# KiCad board dual-camera-to-gmsl-serializer-csi-adapter.kicad_pcb (continued)
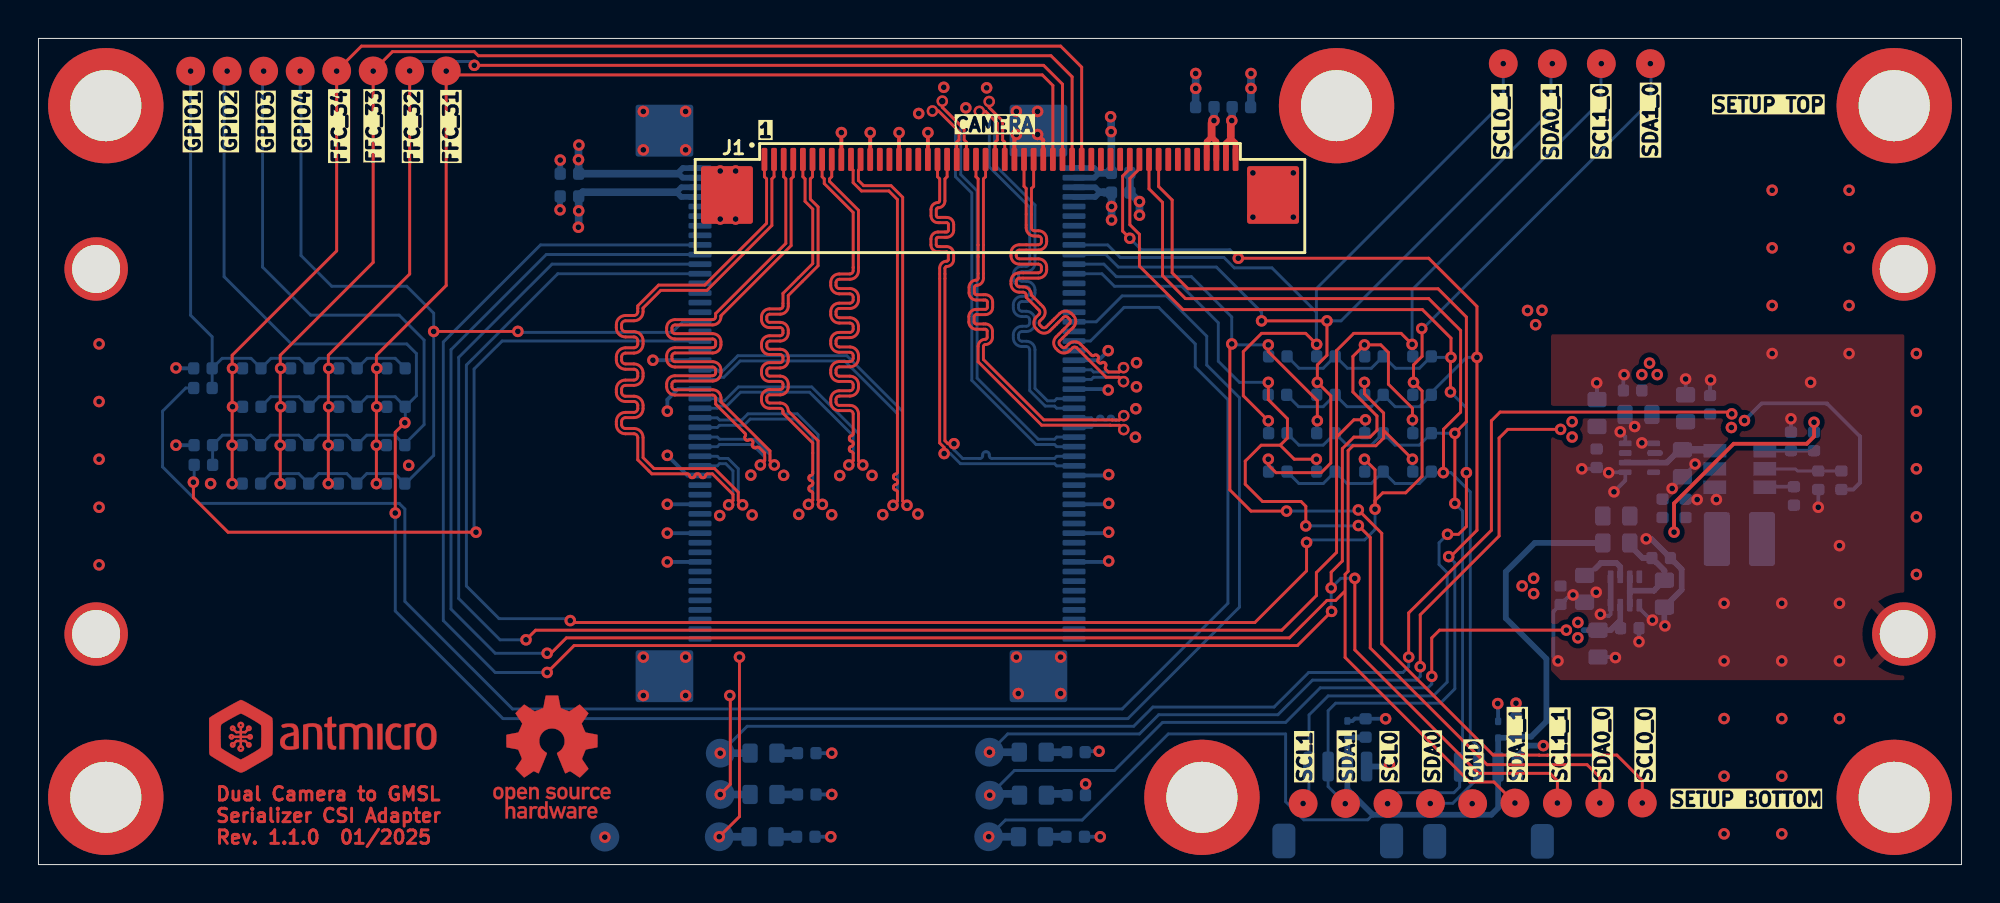
[diagram p0: board, top side]
## Routing (per net, layer and track width the routed paths; a pad name or vN(x,y) marks a point on that pad's centre or on a via; arc(x,y) is an arc through that point) (continued)
/CSI1.D1_N: length 37
  Top w0.15: J1.5 39.75,35.8 39.86,35.69 39.86,34.52 40.26,34.12 40.26,31.28 38.71,29.73 38.71,29.07 arc(38.67,28.97) 38.57,28.92 38.02,28.92 arc(37.72,28.8) 37.6,28.51 37.6,28.37 arc(37.72,28.07) 38.02,27.95 38.57,27.95 arc(38.67,27.91) 38.71,27.81 38.71,27.67 arc(38.67,27.57) 38.57,27.52 38.02,27.52 arc(37.72,27.4) 37.6,27.11 37.6,26.97 arc(37.72,26.67) 38.02,26.55 38.57,26.55 arc(38.67,26.51) 38.71,26.41 38.71,26.27 arc(38.67,26.17) 38.57,26.12 38.02,26.12 arc(37.72,26) 37.6,25.71 37.6,25.57 arc(37.72,25.27) 38.02,25.15 38.57,25.15 arc(38.67,25.11) 38.71,25.01 38.71,24.87 arc(38.67,24.77) 38.57,24.72 38.02,24.72 arc(37.72,24.6) 37.6,24.31 37.6,24.17 arc(37.72,23.87) 38.02,23.75 38.57,23.75 arc(38.67,23.71) 38.71,23.61 38.71,23.49 40.26,21.94 40.26,20.36 arc(40.24,20.29) 40.16,20.26 arc(40.09,20.23) 40.07,20.16 40.07,20.08 arc(40.09,20.01) 40.16,19.98 arc(40.24,19.96) 40.26,19.89 40.26,19.81 arc(40.24,19.74) 40.16,19.71 arc(40.09,19.68) 40.07,19.61 40.07,19.53 arc(40.09,19.46) 40.16,19.43 arc(40.24,19.41) 40.26,19.34 40.26,18.97 v1(40.04,18.75)
  Bottom w0.15: J2.23 35.3,22.75 35.41,22.86 36.69,22.86 37.01,23.19 39.35,23.19 40.26,22.27 40.26,18.97 v1(40.04,18.75)
/CSI1.D1_P: length 37
  Top w0.15: J1.6 40.25,35.8 40.14,35.69 40.14,34.63 40.54,34.23 40.54,31.17 38.99,29.62 38.99,29.07 arc(38.87,28.77) 38.57,28.65 38.02,28.65 arc(37.92,28.61) 37.87,28.51 37.87,28.37 arc(37.92,28.27) 38.02,28.22 38.57,28.22 arc(38.87,28.1) 38.99,27.81 38.99,27.67 arc(38.87,27.37) 38.57,27.25 38.02,27.25 arc(37.92,27.21) 37.87,27.11 37.87,26.97 arc(37.92,26.87) 38.02,26.82 38.57,26.82 arc(38.87,26.7) 38.99,26.41 38.99,26.27 arc(38.87,25.97) 38.57,25.85 38.02,25.85 arc(37.92,25.81) 37.87,25.71 37.87,25.57 arc(37.92,25.47) 38.02,25.42 38.57,25.42 arc(38.87,25.3) 38.99,25.01 38.99,24.87 arc(38.87,24.57) 38.57,24.45 38.02,24.45 arc(37.92,24.41) 37.87,24.31 37.87,24.17 arc(37.92,24.07) 38.02,24.02 38.57,24.02 arc(38.87,23.9) 38.99,23.61 40.54,22.06 40.54,18.97 v1(40.76,18.75)
  Bottom w0.15: J2.24 35.3,23.25 35.41,23.14 36.57,23.14 36.9,23.46 39.46,23.46 40.54,22.38 40.54,18.97 v1(40.76,18.75)
/CSI1.D2_N: length 37
  Top w0.15: J1.3 38.75,35.8 38.86,35.69 38.86,32.33 35.21,28.68 35.21,28.52 arc(35.17,28.41) 35.06,28.36 33.1,28.36 arc(32.79,28.24) 32.67,27.93 32.67,27.79 arc(32.79,27.48) 33.1,27.36 35.06,27.36 arc(35.17,27.31) 35.21,27.2 35.21,27.06 arc(35.17,26.95) 35.06,26.9 33.1,26.9 arc(32.79,26.78) 32.67,26.47 32.67,26.33 arc(32.79,26.02) 33.1,25.9 35.06,25.9 arc(35.17,25.85) 35.21,25.74 35.21,25.6 arc(35.17,25.49) 35.06,25.44 33.1,25.44 arc(32.79,25.32) 32.67,25.01 32.67,24.87 arc(32.79,24.56) 33.1,24.44 35.06,24.44 arc(35.17,24.39) 35.21,24.28 35.21,23.97 36.75,22.43 arc(36.78,22.36) 36.75,22.29 arc(36.72,22.22) 36.75,22.15 36.8,22.1 arc(36.87,22.07) 36.94,22.1 arc(37.01,22.13) 37.08,22.1 37.14,22.04 arc(37.17,21.97) 37.14,21.9 arc(37.11,21.83) 37.14,21.76 37.19,21.71 arc(37.26,21.68) 37.33,21.71 arc(37.4,21.74) 37.47,21.71 37.76,21.42 37.76,21.02 v1(37.54,20.8)
  Bottom w0.15: v1(37.54,20.8) 37.76,21.02 37.76,21.22 37.12,21.86 35.41,21.86 35.3,21.75 J2.21
/CSI1.D2_P: length 37
  Top w0.15: v1(38.26,20.8) 38.04,21.02 38.04,21.53 35.49,24.08 35.49,24.28 arc(35.36,24.59) 35.06,24.71 33.1,24.71 arc(32.99,24.76) 32.94,24.87 32.94,25.01 arc(32.99,25.12) 33.1,25.17 35.06,25.17 arc(35.36,25.29) 35.49,25.6 35.49,25.74 arc(35.36,26.05) 35.06,26.17 33.1,26.17 arc(32.99,26.22) 32.94,26.33 32.94,26.47 arc(32.99,26.58) 33.1,26.63 35.06,26.63 arc(35.36,26.75) 35.49,27.06 35.49,27.2 arc(35.36,27.51) 35.06,27.63 33.1,27.63 arc(32.99,27.68) 32.94,27.79 32.94,27.93 arc(32.99,28.04) 33.1,28.09 35.06,28.09 arc(35.36,28.21) 35.49,28.52 35.49,28.57 39.14,32.22 39.14,35.69 39.25,35.8 J1.4
  Bottom w0.15: J2.22 35.3,22.25 35.41,22.14 37.23,22.14 38.04,21.33 38.04,21.02 v1(38.26,20.8)
/CSI1.D3_N: length 37
  Top w0.15: v1(35.89,18.72) 36.11,18.95 36.11,19.27 35.05,20.34 34.78,20.34 arc(34.71,20.31) 34.68,20.24 arc(34.65,20.17) 34.58,20.14 34.51,20.14 arc(34.44,20.17) 34.41,20.24 arc(34.38,20.31) 34.31,20.34 34.23,20.34 arc(34.16,20.31) 34.13,20.24 arc(34.1,20.17) 34.03,20.14 33.96,20.14 arc(33.89,20.17) 33.86,20.24 arc(33.83,20.31) 33.76,20.34 31.9,20.34 31.16,21.07 31.16,22.22 arc(31.11,22.36) 30.97,22.42 30.52,22.42 arc(30.19,22.56) 30.05,22.9 30.05,23.06 arc(30.19,23.4) 30.52,23.54 30.97,23.54 arc(31.11,23.6) 31.16,23.74 31.16,23.9 arc(31.11,24.04) 30.97,24.1 30.52,24.1 arc(30.19,24.24) 30.05,24.58 30.05,24.74 arc(30.19,25.08) 30.52,25.22 30.97,25.22 arc(31.11,25.28) 31.16,25.42 31.16,25.58 arc(31.11,25.72) 30.97,25.78 30.52,25.78 arc(30.19,25.92) 30.05,26.26 30.05,26.42 arc(30.19,26.76) 30.52,26.9 30.97,26.9 arc(31.11,26.96) 31.16,27.1 31.16,27.26 arc(31.11,27.4) 30.97,27.46 30.52,27.46 arc(30.19,27.6) 30.05,27.94 30.05,28.1 arc(30.19,28.44) 30.52,28.58 30.97,28.58 arc(31.11,28.64) 31.16,28.78 31.16,29.08 32.25,30.16 34.65,30.16 37.86,33.38 37.86,35.69 37.75,35.8 J1.1
  Bottom w0.15: J2.19 35.3,20.75 35.41,20.86 35.74,20.86 36.11,20.49 36.11,18.95 v1(35.89,18.72)
/CSI1.D3_P: length 37
  Top w0.15: J1.2 38.25,35.8 38.14,35.69 38.14,33.27 34.76,29.89 32.36,29.89 31.44,28.97 31.44,28.78 arc(31.3,28.44) 30.97,28.3 30.52,28.3 arc(30.38,28.24) 30.32,28.1 30.32,27.94 arc(30.38,27.8) 30.52,27.74 30.97,27.74 arc(31.3,27.6) 31.44,27.26 31.44,27.1 arc(31.3,26.76) 30.97,26.62 30.52,26.62 arc(30.38,26.56) 30.32,26.42 30.32,26.26 arc(30.38,26.12) 30.52,26.06 30.97,26.06 arc(31.3,25.92) 31.44,25.58 31.44,25.42 arc(31.3,25.08) 30.97,24.94 30.52,24.94 arc(30.38,24.88) 30.32,24.74 30.32,24.58 arc(30.38,24.44) 30.52,24.38 30.97,24.38 arc(31.3,24.24) 31.44,23.9 31.44,23.74 arc(31.3,23.4) 30.97,23.26 30.52,23.26 arc(30.38,23.2) 30.32,23.06 30.32,22.9 arc(30.38,22.76) 30.52,22.7 30.97,22.7 arc(31.3,22.56) 31.44,22.22 31.44,21.18 32.01,20.61 35.16,20.61 36.39,19.38 36.39,18.95 v1(36.61,18.72)
  Bottom w0.15: J2.20 35.3,21.25 35.41,21.14 35.86,21.14 36.39,20.61 36.39,18.95 v1(36.61,18.72)
/EN_3V3: length 4
  Bottom w0.152: R45.1 91.47,20.48 91.36,20.59 89.77,20.59
/FB_3V3: length 2.6
  Bottom w0.2: 89.77,21.54 R22.1
/GPIO1_CAM0: length 28.7
  Bottom w0.152: R43.2 9.55,26.35 11.05,26.35 R9.1 12.09,26.35 13.55,26.35 R13.1 14.59,26.35 16.05,26.35 R17.1 17.09,26.35 18.55,26.35 R21.1 ; R43.2 9.03,27.47 7.91,28.59 v1(7.91,41.3) ; R43.2 R47.1
/GPIO2_CAM0: length 116.8
  Top w0.152: v1(19.05,23) 18.55,22.5 v1(18.55,18.3)
  Bottom w0.152: v1(9.81,41.3) 9.65,41.14 9.65,30.6 13.15,27.1 19.15,27.1 19.65,26.6 19.65,24.4 19.08,23.83 ; J3.34 55,28.25 56.35,29.6 58.65,29.6 60.75,27.5 60.75,26 62.45,24.3 62.45,13.4 56.65,7.6 24.15,7.6 18.55,13.2 v1(18.55,18.3) ; R8.1 12.09,24.35 13.55,24.35 R12.1 14.59,24.35 16.05,24.35 R16.1 17.09,24.35 18.55,24.35 R20.1 19.07,23.02 v1(19.05,23)
/GPIO3_CAM1: length 38.8
  Bottom w0.152: v1(11.71,41.3) 11.65,41.24 11.65,31.1 14.15,28.6 18.75,28.6 20.05,27.3 20.05,22.9 19.05,21.9 ; R48.1 9.06,21.82 ; R44.2 9.57,22.35 11.03,22.35 R7.1 12.07,22.35 13.53,22.35 R11.1 14.57,22.35 16.03,22.35 R15.1 17.07,22.35 18.53,22.35 R19.1
/GPIO4_CAM1: length 50.1
  Top w0.152: v1(24.93,27.75) 24.93,27.75 v1(20.55,27.75)
  Bottom w0.152: J2.34 33.5,28.25 32.95,27.7 24.98,27.7 v1(24.93,27.75) ; R18.1 18.53,20.35 17.07,20.35 R14.1 16.03,20.35 14.57,20.35 R10.1 13.53,20.35 12.07,20.35 R6.1 ; 19.08,19.83 20.55,21.3 v1(20.55,27.75) 20.55,28.7 19.15,30.1 15.25,30.1 13.65,31.7 13.65,39.6 13.61,39.64 v1(13.61,41.3)
/OUT_3V3: length 11.5
  Top w0.2: v1(85.05,17.3) 85.05,18.8 88.15,21.9 91.95,21.9 92.33,22.28 v1(92.33,23.02)
  Bottom w0.2: R22.2 v1(92.33,23.02)
/SCL_CAM0: length 61.5
  Top w0.152: J1.42 58.25,35.29 58.95,34.59 58.95,30.8 59.78,29.97 72.78,29.97 74.25,28.5 74.25,23.05 v1(73.65,22.45) v1(73.65,18.8)
  Bottom w0.152: v1(73.65,22.45) 73.01,22.45 73.01,22.45 72.43,22.45 71.81,21.83 70.55,21.83 69.93,22.45 69.31,21.83 68.05,21.83 67.43,22.45 66.81,21.83 65.55,21.83 64.93,22.45 ; v1(70.15,3.17) 70.72,3.74 73.6,3.74 73.9,4.04 J4.4 ; 74.05,5.23 74.05,18.4 v1(73.65,18.8)
/SCL_CAM0_0: length 58.9
  Top w0.152: v1(83.4,3.2) 83.4,4.38 82.08,5.7 78.47,5.7 78.46,5.69 78.04,5.69 78.04,5.7 75.64,5.7 69.85,11.49 69.85,17.24 v1(68.63,18.46) ; v1(63.95,27.05) 63.95,26.7 66.5,24.15 v1(66.5,23.1) ; v1(62.05,27.1) 61.95,27 61.95,19.5 63.05,18.4 v1(64.9,18.4)
  Bottom w0.152: R29.1 66.47,23.06 v1(66.5,23.1) ; v1(68.63,18.46) 68.57,18.4 64.9,18.4 v1(64.9,18.4) ; J3.40 55.4,31.25 56.05,30.6 59.95,30.6 62.05,28.5 v1(62.05,27.1) 62.1,27.05 v1(63.95,27.05) 63.97,27.03 R27.1
/SCL_CAM0_1: length 43.6
  Top w0.152: v1(63.95,23.1) 62.65,24.4 62.65,26.7 63.6,27.65 65.9,27.65 v1(66.47,27.08)
  Bottom w0.152: J3.42 55.6,32.25 56.25,31.6 61.64,31.6 62.18,31.06 64.14,31.06 66.45,28.75 66.45,27.66 ; 66.45,27.66 66.45,29.98 76.17,39.7 v1(76.17,41.69) ; 66.45,27.66 66.45,27.09 v1(66.47,27.08) R31.1 ; v1(63.95,23.1) 63.97,23.08 R25.1
/SCL_CAM1: length 65.7
  Top w0.152: v1(73.27,17.19) 73.84,17.19 74.25,17.6 v1(74.25,20.4) ; 57.25,36.7 57.25,36.21 56.75,35.71 56.75,33.3 57.25,32.81 57.25,31.15 59.52,28.89 71.96,28.89 73.45,27.4 v1(73.45,26.4) 73.42,26.37 v1(73.42,24.6)
  Bottom w0.152: 67.43,26.45 66.81,25.83 65.55,25.83 64.93,26.45 ; 69.95,26.45 70.57,25.83 71.81,25.83 72.43,26.45 ; v1(74.25,20.4) 74.25,23.77 v1(73.42,24.6) ; 66.06,5.1 66.06,3.48 v1(65.76,3.18) ; 66.07,5.11 66.07,7.79 67.06,8.78 72.53,8.78 73.25,9.5 73.25,15.2 72.83,15.62 72.83,16.75 v1(73.27,17.19) ; v1(73.45,26.4) 72.48,26.4 ; 67.45,26.45 68.07,25.83 69.31,25.83 69.93,26.45
/SCL_CAM1_0: length 113.2
  Top w0.152: v1(71.43,27.08) 70.86,27.65 68.39,27.65 67.5,26.76 67.5,22.25 ; 67.5,22.25 67.5,16.25 66.45,15.2 66.45,14 64.65,12.2 25.85,12.2 v1(25.35,11.7) ; 67.5,22.25 68.4,23.15 v1(69,23.15)
  Bottom w0.152: v1(81.27,41.69) 81.25,41.67 81.25,39.74 71.43,29.92 v1(71.43,27.08) 71.47,27.04 R39.1 ; v1(69,23.15) 68.97,23.11 R33.1 ; J2.40 26.7,31.25 21.85,26.4 21.85,13.85 24,11.7 v1(25.35,11.7)
/SCL_CAM1_1: length 121.1
  Top w0.152: v1(26.45,10) 27.85,11.4 65.46,11.4 v1(67.24,13.18) ; v1(67.22,14.4) 67.22,15.22 67.8,15.8 67.8,21.65 68.4,22.25 69.24,22.25 69.6,22.61 69.6,23.35 68.35,24.6 68.35,26.45 v1(68.95,27.05) 69.8,27.05 70.2,26.65 70.2,25 71.45,23.76 v1(71.45,23.15) ; v1(68.45,14.9) 68.45,14.89 68.45,11.17 74.88,4.75 78.6,4.75 78.98,4.37 v1(78.98,3.2)
  Bottom w0.152: v1(67.24,13.18) 67.22,13.2 v1(67.22,14.4) 67.72,14.9 v1(68.45,14.9) ; v1(71.45,23.15) 71.47,23.13 R37.1 ; v1(26.45,10) 23.75,10 21.05,12.7 21.05,27.2 26.1,32.25 J2.42 ; R35.1 68.97,27.03 v1(68.95,27.05)
/SDA_CAM0: length 60.4
  Top w0.152: v1(73.05,20.4) 73.06,20.41 73.06,22.66 73.95,23.55 73.95,26.19 73.95,27.8 72.29,29.46 59.64,29.46 58.45,30.65 58.45,34.47 57.75,35.17 J1.41
  Bottom w0.152: 72.48,20.4 v1(73.05,20.4) 73.45,20.4 74.45,19.4 74.45,6.56 74.9,6.11 J4.3 74.9,4.55 73.54,3.19 72.38,3.19 v1(72.37,3.18) ; 72.43,20.45 71.81,19.83 70.55,19.83 69.93,20.45 69.31,19.83 68.05,19.83 67.43,20.45 66.81,19.83 65.55,19.83 64.93,20.45
/SDA_CAM0_0: length 54.4
  Top w0.152: v1(63.95,25.1) 63.95,24.2 64.95,23.2 64.95,22.2 64.57,21.83 ; v1(65.9,17.63) 65.9,18.65 65.65,18.9 63.65,18.9 62.75,19.8 62.75,21 63.58,21.83 64.57,21.83 ; 64.57,21.83 65.3,21.1 v1(66.45,21.1) ; v1(68.63,17.65) 69.25,17.03 69.25,11.27 75.33,5.2 80.53,5.2 81.19,4.53 v1(81.19,3.2)
  Bottom w0.152: v1(66.45,21.1) 66.47,21.08 R28.1 ; R26.1 63.95,25.09 v1(63.95,25.1) 62.45,25.1 61.35,26.2 61.35,28.2 59.45,30.1 55.95,30.1 55.3,30.75 J3.39 ; v1(68.63,17.65) 68.62,17.63 v1(65.9,17.63)
/SDA_CAM0_1: length 46.7
  Top w0.152: v1(63.6,28.3) v1(67,28.3) 67,26.51 66.5,26.01 v1(66.5,25.1) 67.2,24.4 67.2,20.9 66.7,20.4 64.35,20.4 63.95,20.8 v1(63.95,21.1)
  Bottom w0.152: v1(67,28.3) 67.73,28.3 78.65,39.22 78.65,41.62 v1(78.72,41.69) ; J3.41 55.5,31.75 56.15,31.1 61.25,31.1 63.6,28.75 v1(63.6,28.3) ; v1(66.5,25.1) 66.47,25.06 R30.1 ; v1(63.95,21.1) 63.97,21.08 R24.1
/SDA_CAM1: length 69.1
  Top w0.152: J1.39 56.75,36.21 56.38,35.84 56.38,32.97 v1(56.75,32.6) ; v1(62.39,31.56) 72.29,31.56 74.8,29.05 v1(74.8,26.4) 74.8,17.4 73.43,16.03 v1(73.33,16.03)
  Bottom w0.152: 72.43,24.56 74.26,26.4 v1(74.8,26.4) ; v1(62.39,31.56) 61.95,32 57.35,32 v1(56.75,32.6) ; v1(67.95,3.17) 67.06,4.06 67.06,8.01 67.45,8.4 72.9,8.4 73.65,9.15 73.65,15.71 v1(73.33,16.03) ; 72.43,24.45 71.81,23.83 70.55,23.83 69.93,24.45 69.31,23.83 68.05,23.83 67.43,24.45 66.81,23.83 65.53,23.83 R26.2
/SDA_CAM1_0: length 112
  Top w0.152: v1(71.93,27.9) 71.95,27.88 71.95,26.45 71.5,26.01 v1(71.5,25.1) 71.95,24.65 71.95,20.2 71.09,19.35 69.9,19.35 69.5,18.95 v1(69.5,18.5) 69.5,20.55 v1(68.95,21.1) ; v1(65.94,16.77) 65.94,15.29 63.25,12.6 27.75,12.6 v1(27.65,12.7)
  Bottom w0.152: R38.1 71.47,25.06 v1(71.5,25.1) ; R32.1 68.97,21.08 v1(68.95,21.1) ; v1(27.65,12.7) 27.55,12.8 23.95,12.8 22.25,14.5 22.25,26 27,30.75 J2.39 ; v1(71.93,27.9) 72.01,27.98 72.07,27.98 83.85,39.76 83.85,41.66 v1(83.82,41.69) ; v1(69.5,18.5) 69.5,17.44 68.96,16.9 66.07,16.9 v1(65.94,16.77)
/SDA_CAM1_1: length 109.3
  Top w0.152: 67.9,14.2 67.45,13.75 67,13.75 65.05,11.8 27.45,11.8 26.65,11 v1(26.45,11) ; v1(68.95,25.1) 68.95,24.5 69.95,23.5 69.95,22.2 ; v1(76.78,3.2) 75.68,4.3 74.43,4.3 67.95,10.78 67.95,15.11 68.1,15.26 68.1,21.55 68.35,21.8 69.54,21.8 69.95,22.2 ; 69.95,22.2 69.95,22.6 v1(71.45,21.1)
  Bottom w0.152: v1(71.45,21.1) 71.47,21.08 R36.1 ; v1(26.45,11) 23.75,11 21.45,13.3 21.45,26.8 26.4,31.75 J2.41 ; v1(68.95,25.1) 68.97,25.08 R34.1
Net-(D1-C): length 1.1
  Bottom w0.4: D1.1 R41.2
Net-(D2-C): length 1.1
  Bottom w0.4: 52.4,1.45 53.47,1.45
Net-(D3-C): length 1.1
  Bottom w0.4: 52.35,5.85 53.42,5.85
Net-(D4-C): length 1.1
  Bottom w0.4: 52.39,3.68 53.46,3.68
Net-(D5-C): length 1.1
  Bottom w0.4: D5.1 R3.2
Net-(D6-C): length 1.1
  Bottom w0.4: 38.4,1.45 39.47,1.45
Net-(J2-Pad32): length 38.1
  Top w0.152: v1(22.75,17.3) 9.86,17.3 8.06,19.1 v1(8.06,19.9)
  Bottom w0.152: R48.2 8.1,19.94 v1(8.06,19.9) ; v1(22.75,17.3) 22.65,17.4 22.65,25.79 24.11,27.25 J2.32
Net-(J3-Pad32): length 92.7
  Bottom w0.152: R47.2 7.66,24.8 6.45,23.6 6.45,20.7 8.35,18.8 18.76,18.8 19.05,18.51 19.05,13.7 24.65,8.1 56.35,8.1 61.85,13.6 61.85,24.2 60.15,25.9 60.15,27.1 58.25,29 56.45,29 54.7,27.25 J3.32
Net-(U3-BST): length 1.5
  Bottom w0.2: C2.1 89.8,19.67

## Copper pours and planes (outline as drawn; the poured copper is in the pictures)
+3V3 on Bottom: 81.75,18.5 80,18.5 78.59,19.1 78.59,29.31 77.08,29.32 77.09,18.9 78,17.65 79.65,16.3 81.75,16.3
+3V3 on In1.Cu: 79.73,24.73 79.73,33.8 61.82,33.76 61.58,34 61.58,39.97 59.41,39.97 59.41,33.1 61.95,31.08 72.61,31.08
+5V on Bottom: 84.95,21.2 86.15,21.2 86.15,22.2 86.35,22.4 89.14,22.4 89.14,23.8 86.65,23.8 86.45,23.6 84.95,23.6
+5V on In1.Cu: 79.73,33.8 79.73,22.19 89.26,22.19 89.26,39.97 61.59,39.97 61.58,35.75 61.58,34 61.82,33.76
/3V3_0 on Bottom: 82.55,12 82.55,14 81.95,14 81.95,12.9 81.75,12.7 80.55,12.7 80.35,12.9 79.15,12.9 79.15,11.5 80.35,11.5 80.55,11.7 82.25,11.7
/3V3_0 on In1.Cu: 82.27,21.01 77.37,21.01 77.37,24.73 72.11,29.5 59.41,29.53 56.87,31.3 56.87,34.9 54.33,34.9 54.33,31.08 60.68,24.73 60.68,15.84 78.46,15.84 78.46,10.25 82.27,10.25
/3V3_1 on Bottom: 82.55,15.9 80.75,15.9 80.25,15.4 77,15.4 76.75,15.15 76.75,13.9 77,13.7 78.95,13.7 79.5,14.4 82.55,14.4
/3V3_1 on In1.Cu: 23.2,34.67 28.43,34.68 28.43,15.84 78.46,15.84 78.46,10.51 23.26,10.49
/5V_0 on Bottom: 82.85,21.22 82.85,21.6 82.1,21.6 81.85,21.85 81.85,23.15 81.6,23.35 78.85,23.35 78.85,21.95 80.05,21.95 80.2,21.8 80.2,21.4 80.4,21.2
/5V_0 on In1.Cu: 79.73,20.92 79.73,24.73 72.61,31.08 61.95,31.08 59.41,33.1 59.41,39.81 55.33,39.8 55.33,35.12 56.87,35.13 56.87,31.5 59.41,29.53 72.11,29.5 77.37,24.73 77.37,21.01
/5V_1 on Bottom: 83.65,21.27 84.33,21.27 84.75,21.4 84.75,22.9 84.25,23.4 84.25,23.9 84.45,24.1 84.45,26.45 83.05,26.45 83.05,24.1 83.25,23.9 83.25,22.9 83.75,22.4
/5V_1 on In1.Cu: 7.6,37.82 28.46,37.82 28.46,34.87 23.16,34.86 23.12,10.37 82.27,10.37 82.27,27.17 86.82,27.17 86.82,5.17 7.59,5.21
GND on Top, Bottom: 97.03,27.6 78.65,27.6 78.65,10.1 79.15,9.6 97.03,9.6
GND on Bottom: 80.35,18.9 83.65,18.9 83.95,18.6 86.05,18.6 86.55,19.1 87.75,19.1 87.95,19.3 87.95,20 87.75,20.1 86.45,20.1 86.25,20.3 86.25,20.6 86.05,20.8 84.95,20.8 84.75,20.6 84.75,20.2 84.55,20 83.15,20 83.05,20.1 83.05,20.6 82.95,20.7 82.05,20.7 81.95,20.6 80.35,20.6
GND on In1.Cu, In2.Cu: -3.14,-2.1 101.75,-2.1 101.75,45.4 -3.14,45.4
/OUT_3V3 on Bottom: 88.65,15.5 88.65,18.1 88.05,18.7 86.35,18.7 86.15,18.5 83.95,18.5 83.65,18.8 82.35,18.8 82.15,18.6 82.15,17.7 82.35,17.5 83.85,17.5 84.05,17.3 84.05,15.8 84.45,15.5
/SW_3V3 on Bottom: 86.55,20.2 88.05,20.2 88.25,20.1 88.25,18.7 88.85,18.1 88.85,15.5 91.75,15.5 91.75,19 89.15,19 88.95,19.1 88.95,20.94 86.57,20.94

## Text on the board
B.Silkscreen: GPIO CONFIG | I2C CONFIG | PCB SHA: ######## | 1 | GND | GMSL SERIALIZER 1 | +5V_1 | +5V_0 | +5V | +3V3_1 | +3V3_0 | +3V3 | GMSL SERIALIZER 2
User.Comments: F.Silkscreen | F.Paste | F.Mask | F.Cu | Dielectric | In1.Cu | In2.Cu | B.Cu | B.Mask | B.Paste | B.Silkscreen | Top Silk Screen | Top Solder Paste | Top Solder Mask | copper | prepreg | core | Bottom Solder Mask | Bottom Solder Paste | Bottom Silk Screen | Not specified | IS400 PR2116 | FR4 | 0 mm | 0.02 mm | 0.018 mm | 0.12 mm | 0.035 mm | 1.2 mm | White | Black | 1 | 3.3 | 4.06 | 4.35 | 0 | 0.0189 | 0.02 | Layer Name | Type | Material | Thickness (mm) | Color | Epsilon R | Loss Tangent
User.Eco1: OV5640 / Pin 50 goes here
Top: Dual Camera to GMSL / Serializer CSI Adapter / Rev. ${REVISION}  01/2025
F.Mask: Dual Camera to GMSL / Serializer CSI Adapter / Rev. ${REVISION}  01/2025
F.Silkscreen: GPIO1 | GPIO2 | GPIO3 | GPIO4 | GND | 1 | CAMERA | SETUP BOTTOM | SETUP TOP | SCL1 | SDA1 | SCL0 | SDA0 | SDA1_1 | SCL1_1 | SDA0_0 | SCL0_0 | FFC_34 | FFC_33 | FFC_32 | FFC_31 | SCL0_1 | SDA0_1 | SCL1_0 | SDA1_0
